# Allegro board HY_TYPEC_DBUG_V10C.brd
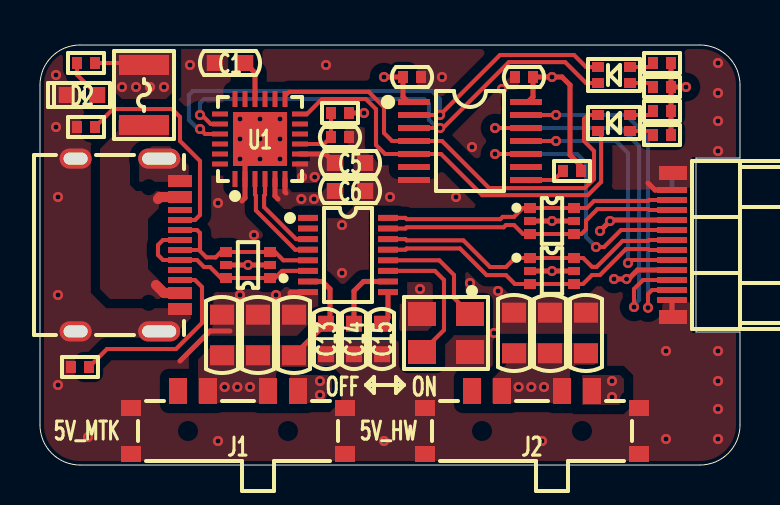
[diagram p0: board, top side]
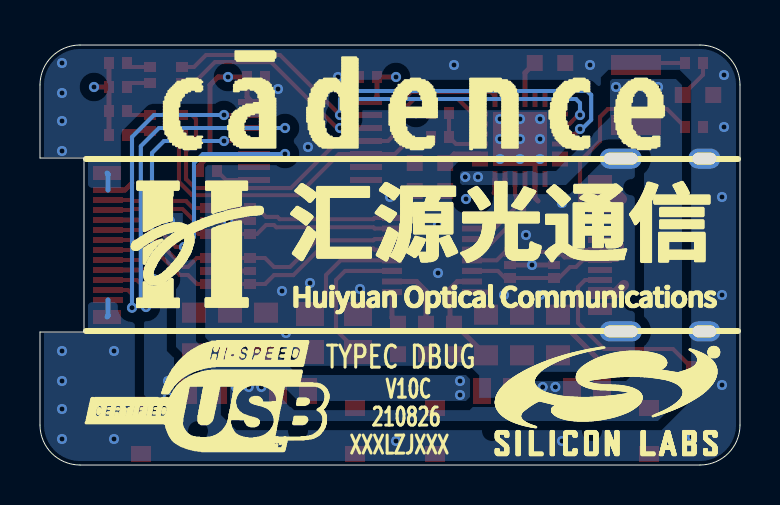
[diagram p1: board, bottom side, seen from below]

Outline 35 x 21 mm; copper layers: TOP, L02_GND, L03_VCC, BOTTOM. Coordinates in mm from the lower left corner of the outline.
Outline path: 0,19 arc(0.59,20.41) 2,21 33,21 arc(34.41,20.41) 35,19 35,15.35 32.8,15.35 32.8,6.65 35,6.65 35,2 arc(34.41,0.59) 33,0 2,0 arc(0.59,0.59) 0,2 0,19

## Design rules (mm)
constraint set DEFAULT: min track width 0.203, pair gap 0.203
net group USBDN1_D: nets USBDN1_DM USBDN1_DP
net group USBDN2_D: nets MTK_USB_DM MTK_USB_DP
net group USBDN3_D: nets HW_USB_DM HW_USB_DP
net group USBUP_D: nets USBUP_DM USBUP_DP

## Placement (name value [footprint] x y rotation side)
C1  10uF_10V  [C0603]  9.5 20.1 180 top
C2  100nF_50V  [C0402]  18.6 19.4 0 top
C3  100nF_50V  [C0402]  24.2 19.4 180 top
C4  100nF_50V  [C0402]  15 16.4 180 top
C5  10uF_10V  [C0603]  15.5 15.1 180 top
C6  10uF_10V  [C0603]  15.5 13.7 180 top
C7  47uF_6.3V  [C0805]  23.7 6.6 270 top
C8  47uF_6.3V  [C0805]  25.5 6.6 270 top
C9  47uF_6.3V  [C0805]  27.3 6.6 270 top
C10  47uF_6.3V  [C0805]  9.1 6.5 270 top
C11  47uF_6.3V  [C0805]  10.9 6.5 270 top
C12  47uF_6.3V  [C0805]  12.7 6.5 270 top
C13  10uF_10V  [C0603]  14.3 6.3 270 top
C14  10uF_10V  [C0603]  15.7 6.3 270 top
C15  10uF_10V  [C0603]  17.1 6.3 270 top
D1  -  [XL-2012SURUGC]  28.7 19.5 0 top
D2  GREEN-0603  [LED0603]  2.1 18.5 180 top
D3  -  [XL-2012SURUGC]  28.7 17.1 0 top
F1  SMD1210-200  [FUSE1210]  5.2 18.5 270 top
J1  -  [K3-1208S-E1]  9.9 1.7 0 top
J2  -  [K3-1208S-E1]  24.6 1.7 0 top
NOREF  -  []  0 0 90 top
NOREF#2  -  []  0 0 0 top
R1  10K  [R0402]  2.3 20.1 0 top
R2  10K  [R0402]  31.1 20.1 0 top
R3  10K  [R0402]  31.1 18.9 0 top
R4  10K  [R0402]  31.1 17.7 0 top
R5  10K  [R0402]  15 17.6 180 top
R6  4.7K  [R0402]  2.3 16.9 0 top
R7  10K  [R0402]  31.1 16.5 0 top
R8  10K  [R0402]  26.6 14.7 180 top
R9  4.7K/NI  [R0402]  2 4.9 180 top
U1  CP2105  [QFN24-4X4X0R5-2R7X2R7]  11 16.3 0 top
U2  TXS0104EPWR  [TSSOP14]  21.5 16.2 270 top
U3  TPD4E1U06DCKR  [SOT363]  25.6 12.2 270 top
U4  -  [U261-24XN-4BS60]  31.6 11 270 top
U5  SL2.1S  [SSOP16-4R7X2R7X0R53]  15.4 10.5 270 top
U6  TPD4E1U06DCKR  [SOT363]  10.4 10 90 top
U7  TPD4E1U06DCKR  [SOT363]  25.6 9.7 270 top
U8  FA-238V  12MHz  [X-4P-3R2X2R5-SMD]  20.3 6.6 180 top
USB1  -  [TYPE-C-31-M-12]  7 11 270 top

## Library data of the parts
C1 = CAP NP
C2-C15 = CAP NP_2
D1 D3 = XL-2012SURUGC
D2 = LED_4
F1 = FUSE
J1 J2 = K3-1208S-E1
R1-R9 = R_Generic
U1 = CP2105_9
U2 = TXB0104PWR
U3 U6 U7 = TPD4E1U06DBVR
U4 = USB-C-24P
U5 = SL2.1S
U8 = TSX-3225
USB1 = TYPE-C_16P

## Footprints (pads in the part's own frame, mm; a bottom-side part is the same pattern mirrored in y, then rotated)
C0402
  rect 0.5x0.6 smd: 1(-0.45,0) 2(0.45,0)
C0603
  rect 0.8x0.8 smd: 1(-0.762,0) 2(0.762,0)
C0805
  rect 1x1.2 smd: 1(-1.016,0) 2(1.016,0)
FUSE1210
  rect 1x2.5 smd: 1(-1.5,0) 2(1.5,0)
K3-1208S-E1
  rect 1x0.8 smd: 1(-5.35,1.15) 2(-5.35,-1.15) 3(5.35,-1.15) 4(5.35,1.15)
  rect 0.9x1.3 smd: 5(3,2) 6(1.5,2) 7(-1.5,2) 8(-3,2)
LED0603
  rect 0.8x0.8 smd: 1(-0.762,0) 2(0.762,0)
QFN24-4X4X0R5-2R7X2R7
  rect 0.25x0.8 smd: 1(-1.25,-2) 2(-0.75,-2) 3(-0.25,-2) 4(0.25,-2) 5(0.75,-2) 6(1.25,-2) 13(1.25,2) 14(0.75,2) 15(0.25,2) 16(-0.25,2) 17(-0.75,2) 18(-1.25,2)
  rect 0.8x0.25 smd: 7(2,-1.25) 8(2,-0.75) 9(2,-0.25) 10(2,0.25) 11(2,0.75) 12(2,1.25) 19(-2,1.25) 20(-2,0.75) 21(-2,0.25) 22(-2,-0.25) 23(-2,-0.75) 24(-2,-1.25)
  rect 2.7x2.7 smd: 25(0,0)
R0402
  rect 0.5x0.6 smd: 1(-0.45,0) 2(0.45,0)
SOT363
  rect 0.5x0.6 smd: 1(-0.65,-1.1) 3(0.65,-1.1) 4(0.65,1.1) 6(-0.65,1.1)
  rect 0.4x0.6 smd: 2(0,-1.1) 5(0,1.1)
SSOP16-4R7X2R7X0R53
  rect 0.3x1 smd: 1(-1.855,-2) 2(-1.325,-2) 3(-0.795,-2) 4(-0.265,-2) 5(0.265,-2) 6(0.795,-2) 7(1.325,-2) 8(1.855,-2) 9(1.855,2) 10(1.325,2) 11(0.795,2) 12(0.265,2) 13(-0.265,2) 14(-0.795,2) 15(-1.325,2) 16(-1.855,2)
TSSOP14
  rect 0.3x1.6 smd: 1(-1.95,-2.8) 2(-1.3,-2.8) 3(-0.65,-2.8) 4(0,-2.8) 5(0.65,-2.8) 6(1.3,-2.8) 7(1.95,-2.8) 8(1.95,2.8) 9(1.3,2.8) 10(0.65,2.8) 11(0,2.8) 12(-0.65,2.8) 13(-1.3,2.8) 14(-1.95,2.8)
TYPE-C-31-M-12
  rect 0.6x1.2 smd: 1(-3.2,0) 2(-2.4,0) 11(2.4,0) 12(3.2,0)
  rect 0.3x1.2 smd: 3(-1.75,0) 4(-1.25,0) 5(-0.75,0) 6(-0.25,0) 7(0.25,0) 8(0.75,0) 9(1.25,0) 10(1.75,0)
  oval 1x2.1 hole 0.6x1.7: 13(-4.32,-1.04) 14(4.32,-1.04)
  oval 1x1.6 hole 0.6x1.2: 15(-4.32,-5.22) 16(4.32,-5.22)
U261-24XN-4BS60
  rect 0.7x1.4 smd: 1(-3.6,0.05) 2(3.6,0.05) 3(3.6,0.05) 4(-3.6,0.05)
  rect 0.3x1.5 smd: A1(-2.75,0) A2(-2.25,0) A3(-1.75,0) A4(-1.25,0) A5(-0.75,0) A6(-0.25,0) A7(0.25,0) A8(0.75,0) A9(1.25,0) A10(1.75,0) A11(2.25,0) A12(2.75,0) B1(2.75,0) B2(2.25,0) B3(1.75,0) B4(1.25,0) B5(0.75,0) B6(0.25,0) B7(-0.25,0) B8(-0.75,0) B9(-1.25,0) B10(-1.75,0) B11(-2.25,0) B12(-2.75,0)
X-4P-3R2X2R5-SMD
  rect 1.4x1.2 smd: 1(-1.2,-0.95) 2(1.2,-0.95) 3(1.2,0.95) 4(-1.2,0.95)
XL-2012SURUGC
  rect 0.6x0.5 smd: 1(-0.8,0.4) 2(0.8,0.4) 3(-0.8,-0.4) 4(0.8,-0.4)

## Nets
GND: C1.2 C2.2 C3.2 C4.1 C5.1 C6.1 C7.1 C8.1 C9.1 C10.1 C11.1 C12.1 C13.2 C14.2 C15.2 D2.2(CATHODE) J1.1 J1.2 J1.3 J1.4 J2.1 J2.2 J2.3 J2.4 R6.1 R9.2 U1.2 U1.25 U2.7 U3.2 U3.5(NC) U4.1 U4.2 U4.3 U4.4 U4.A1 U4.A12 U4.B1 U4.B12 U5.8 U6.2 U6.5(NC) U7.2 U7.5(NC) U8.2 U8.4 USB1.1 USB1.12 USB1.13 USB1.14 USB1.15 USB1.16
VCC_3.3V_CP2105: C2.1 C3.1 C6.2 R2.2 R3.2 R4.2 R5.1 R7.2 R8.1 U1.5(VIO) U1.6 U2.1 U2.14(VCCB)
VCC_5V_HW: J2.5 U4.A9
VCC_5V_MTK: J1.5 U4.A4
VCC_5V_VBUS: C5.2 C7.2 C8.2 C9.2 C10.2 C11.2 C12.2 C13.1 F1.1 J1.6 J1.7 J2.6 J2.7 R1.2 U1.7 U1.8 U5.7
HW_RX: U2.13 U4.A11
HW_TX: U2.12 U4.A10
HW_USB_DM: U4.A7 U5.13 U7.3 U7.4
HW_USB_DP: U4.A6 U5.14 U7.1 U7.6
MTK_RX: U2.11 U4.A8
MTK_TX: U2.10 U4.A5
MTK_USB_DM: U3.3 U3.4 U4.A3 U5.15
MTK_USB_DP: U3.1 U3.6 U4.A2 U5.16
T_HW_RX: D1.1(R-) U1.21 U2.2
T_HW_TX: D1.3 U1.20 U2.3
T_MTK_RX: D3.1(R-) U1.13 U2.4
T_MTK_TX: D3.3 U1.12 U2.5
USBDN1_DM: U1.4 U5.3
USBDN1_DP: U1.3 U5.4
USBDN2_DM: U5.1
USBDN2_DP: U5.2
USBUP_DM: U5.5 U6.3 U6.4 USB1.5 USB1.7
USBUP_DP: U5.6 U6.1 U6.6 USB1.6 USB1.8
XTAL1: U5.12 U8.1
XTAL2: U5.11(XOUT) U8.3(OUT2)
N17371022: D2.1 R1.1
N17392787: C1.1 U1.16
N17392839: C4.2 R5.2 U1.9
N17392961: D3.4 R7.1
N17392986: D3.2 R4.1
N17393011: D1.4 R3.1
N17393034: D1.2 R2.1
N17394522: R6.2 USB1.4
N17394528: F1.2 USB1.2 USB1.11(VBUS2)
N17394640: R9.1 USB1.10
N17401111: R8.2 U2.8
N17412351: C15.1 U5.9
N17412356: C14.1 U5.10

Pads without a net: J1 8; J2 8; U1 1 10 11 14 15 17 18 19 22 23 24; U2 6 9; U4 B2 B3 B4 B5 B6 B7 B8 B9 B10 B11; USB1 3 9

## Via types
v1: diameter 0.508, hole 0.254, TOP to BOTTOM, 86 vias

## Routing (per net, layer and track width the routed paths; a pad name or vN(x,y) marks a point on that pad's centre or on a via; arc(x,y) is an arc through that point)
GND: length 18.3
  TOP w0.254: 30.4,14.1 30.75,13.75 U4.A1 ; U5.8 12.54,8.64 12.5,8.6 ; U6.5 v1(10.4,10) U6.2 ; 7,5.2 8.5,6.7 9.5,6.7 ; U4.2 31.6,7.45 U4.A12 ; U3.2 v1(25.6,12.2) U3.5 ; U7.2 v1(25.6,9.7) U7.5 ; 10.1,13.2 10.25,13.35 U1.2 10.25,15.05 v1(10,15.3) v1(11,16.3)
  BOTTOM w0.254: U4.2 31.6,7.45 U4.A12 ; U4.1 31.6,14.55 U4.A1
  vias: v1(0.8,19.5) v1(0.8,16.9) v1(0.9,13.4) v1(0.9,8.5) v1(0.9,4) v1(2.4,1.4) v1(7.5,20) v1(8.9,13.1) v1(8.9,1.2) v1(10,17.3) v1(10,16.3) v1(10,8.5) v1(10.7,11.5) v1(11,17.3) v1(11,15.3) v1(11.8,8.5) v1(12,17.3) v1(12,16.3) v1(12,15.3) v1(14.3,20) v1(15.1,12) v1(15.1,9.6) v1(17.2,1.2) v1(17.5,13.4) v1(19,8.8) v1(20.1,19.4) v1(20.8,13.4) v1(21.5,9.1) v1(21.6,15.9) v1(22.7,6.6) v1(22.9,8.7) v1(23.1,18.8) v1(25.1,1.2) v1(31.3,5.7) v1(31.3,1.3) v1(33.9,20.1) v1(33.9,18.6) v1(33.9,17.2) v1(33.9,15.7) v1(33.9,5.7) v1(33.9,4.2) v1(33.9,2.8) v1(33.9,1.3)
VCC_3.3V_CP2105: length 17.5
  TOP w0.254: R3.2 v1(32.3,18.9) ; R3.2 R4.2 R7.2 ; R3.2 R2.2 ; R5.1 v1(16.2,17.6) ; U1.6 12.25,13.65 12.3,13.6 ; R8.1 27.05,14.95 26.5,15.5 26.5,19 26.1,19.4 v1(25.6,19.4) C3.1 24.65,18.4 24.4,18.15 U2.14 ; U1.5 11.75,13.45 11.9,13.3 ; v1(17.2,19.4) C2.1 18.15,18.4 18.4,18.15 U2.1
  vias: v1(13.06,13.3) v1(13.7,13.3)
VCC_5V_HW: length 3.1
  TOP w0.254: v1(28.7,9.3) v1(29.33,9.3) 29.43,9.3 29.88,9.75 U4.A9
  vias: v1(28.6,4.2) v1(28.6,3.4)
VCC_5V_MTK: length 3.8
  TOP w0.254: U4.A4 28.55,12.25 v1(28.5,12.2) v1(28,11.7)
  vias: v1(14,4.2) v1(14,3.5)
VCC_5V_VBUS: length 9.7
  TOP w0.203: R1.2 5.1,20.1 F1.1
  TOP w0.254: C12.2 14.28,7.06 C13.1 14.5,7.26 14.5,8.8 14.12,9.18 U5.7 ; U1.8 14.29,15.55 C5.2
  vias: v1(4.1,18.9) v1(4.8,18.9) v1(5.5,18.9) v1(6.2,18.9) v1(9.23,3.9) v1(9.87,3.9) v1(10.5,3.9) v1(13.1,14.4) v1(13.73,14.4) v1(23.93,3.9) v1(24.57,3.9) v1(25.2,3.9)
HW_RX: length 17.1
  TOP w0.203: v1(30.4,7.86) 30.4,8.55 30.6,8.75 U4.A11 ; U2.13 v1(25.8,17.5)
  BOTTOM w0.203: v1(30.4,7.86) 30.4,16.4 29.3,17.5 v1(25.8,17.5)
HW_TX: length 20.3
  TOP w0.203: v1(29.7,7.9) 29.7,8.8 30.15,9.25 U4.A10 ; U2.12 v1(22.75,16.85)
  BOTTOM w0.203: v1(29.7,7.9) 29.7,8 29.96,8.26 29.96,15.94 29.05,16.85 v1(22.75,16.85)
HW_USB_DM: length 15.7
  TOP w0.203: U5.13 18.27,10.77 18.33,10.83 21,10.83 22.33,9.49 23.3,9.49 23.74,9.05 U7.3 U7.4 27.15,9.05 27.6,9.5 28,9.5 29.3,10.8 30.42,10.8 30.46,10.75 U4.A7
HW_USB_DP: length 15.7
  TOP w0.203: U5.14 18.27,11.29 18.33,11.23 21.17,11.23 22.5,9.9 23.3,9.9 23.75,10.35 U7.1 U7.6 27.16,10.35 27.6,9.91 27.83,9.91 29.13,11.2 30.42,11.2 30.46,11.25 U4.A6
MTK_RX: length 13.1
  TOP w0.203: v1(29.4,10.1) 29.55,10.25 U4.A8 ; U2.11 v1(25.8,16.2)
  BOTTOM w0.203: v1(29.4,10.1) 29.4,15.6 28.8,16.2 v1(25.8,16.2)
MTK_TX: length 14.8
  TOP w0.203: U2.10 v1(22.75,15.55) ; U4.A5 29.05,11.75 28.2,10.9 v1(27.8,10.9)
  BOTTOM w0.203: v1(27.8,10.9) 27.3,11.4 27.3,15.1 26.85,15.55 v1(22.75,15.55)
MTK_USB_DM: length 15.3
  TOP w0.203: U4.A3 30.46,12.75 30.42,12.8 27.87,12.8 27.3,12.23 27.3,11.78 27.07,11.55 U3.4 U3.3 24.15,11.55 23.7,12 23.3,12 23.19,11.89 18.33,11.89 18.27,11.82 U5.15
MTK_USB_DP: length 14.6
  TOP w0.203: U5.16 18.27,12.36 18.33,12.29 23.02,12.29 23.13,12.41 23.7,12.41 24.14,12.85 U3.1 U3.6 27.35,12.85 27.7,13.2 30.42,13.2 30.46,13.25 U4.A2
T_HW_RX: length 27.4
  TOP w0.203: v1(8,16.8) 8.25,16.55 U1.21 ; U2.2 v1(20,17.5) 23,20.5 26.7,20.5 27.3,19.9 D1.1
  BOTTOM w0.203: v1(8,16.8) 7.9,16.8 7.44,17.26 7.44,18.5 7.64,18.7 19.6,18.7 20,18.3 v1(20,17.5)
T_HW_TX: length 25.9
  TOP w0.203: U1.20 8.54,17.05 8.09,17.5 v1(8,17.5) ; U2.3 v1(20,16.85) 20.15,16.85 23.44,20.14 26.26,20.14 27.3,19.1 D1.3
  BOTTOM w0.203: v1(8,17.5) 8,18.1 8.2,18.3 19.2,18.3 19.44,18.06 19.44,17.27 19.86,16.85 v1(20,16.85)
T_MTK_RX: length 22.6
  TOP w0.203: U1.13 12.25,18.45 12.46,18.66 16.44,18.66 17.2,17.89 17.2,16.6 17.6,16.2 U2.4 20.1,16.2 22.45,13.85 27.25,13.85 27.7,14.3 27.7,15.7 27.2,16.2 27.2,17.3 27.4,17.5 D3.1
T_MTK_TX: length 21.3
  TOP w0.203: D3.3 28.06,16.54 28.06,14.15 27.39,13.49 22.11,13.49 20.05,15.55 U2.5 17.25,15.55 16.8,16 16.8,17.79 16.29,18.3 14.1,18.3 13.35,17.55 U1.12
USBDN1_DM: length 4.3
  TOP w0.203: U5.3 12.8,11.29 11.2,12.9 11.2,13.47 11.25,13.52 U1.4
USBDN1_DP: length 5
  TOP w0.203: U5.4 12.76,10.77 10.8,12.73 10.8,13.47 10.75,13.52 U1.3
USBUP_DM: length 8.8
  TOP w0.203: U5.5 12.16,10.23 11.75,10.65 U6.3 U6.4 9.05,10.65 8.78,10.38 8.32,10.38 7.95,10.75 ; 7.95,10.75 8,10.8 8,11.6 7.85,11.75 USB1.5 ; 7.95,10.75 USB1.7
USBUP_DP: length 9.8
  TOP w0.203: U5.6 12.11,9.71 11.75,9.35 U6.1 U6.6 9.05,9.35 8.5,9.9 8.2,9.9 7.85,10.25 USB1.8 6.15,10.25 5.9,10.5 5.9,11 6.15,11.25 USB1.6
XTAL1: length 5.9
  TOP w0.203: U5.12 19.96,10.23 20.7,9.5 20.7,8.35 U8.1
XTAL2: length 7
  TOP w0.203: U8.3 20.2,6.75 20.2,9.25 19.75,9.71 U5.11
N17371022: length 2
  TOP w0.203: D2.1 1.85,19.51 R1.1
N17392787: length 2
  TOP w0.254: U1.16 10.75,19.61 C1.1
N17392839: length 2.9
  TOP w0.203: U1.9 14.2,16.05 C4.2 R5.2
N17392961: length 1.2
  TOP w0.203: D3.4 30.45,16.7 R7.1
N17392986: length 1.2
  TOP w0.203: R4.1 30.45,17.5 D3.2
N17393011: length 1.2
  TOP w0.203: R3.1 30.45,19.1 D1.4
N17393034: length 1.2
  TOP w0.203: D1.2 30.45,19.9 R2.1
N17394522: length 11.2
  TOP w0.203: USB1.4 7.75,12.25 8,12.5 8,15.2 7,16.2 7,17.4 6.6,17.8 3.65,17.8 R6.2
N17394528: length 2.5
  TOP w0.508: 5.9,13.3 6,13.4 USB1.2 ; USB1.11 6.2,8.6 5.8,9
N17394640: length 9.6
  TOP w0.203: USB1.10 7.75,9.25 8.1,8.9 8.1,7.1 6.8,5.8 3.35,5.8 R9.1
N17401111: length 2
  TOP w0.203: U2.8 25.7,14.25 R8.2
N17412351: length 1.7
  TOP w0.254: C15.1 17.4,7.36 U5.9
N17412356: length 3.5
  TOP w0.254: U5.10 16.18,9.18 15.7,8.7 C14.1

## Copper pours and planes (outline as drawn; the poured copper is in the pictures)
GND on TOP: 34.8,2 34.27,0.73 33,0.2 2,0.2 0.73,0.73 0.2,2 0.2,19 0.73,20.27 2,20.8 33,20.8 34.27,20.27 34.8,19 34.8,15.4 32.6,15.4 32.6,6.6 34.8,6.6 ; 1 cut-out
GND on BOTTOM: 34.8,2 34.27,0.73 33,0.2 2,0.2 0.73,0.73 0.2,2 0.2,19 0.73,20.27 2,20.8 33,20.8 34.27,20.27 34.8,19 34.8,15.4 32.6,15.4 32.6,6.6 34.8,6.6 ; 1 cut-out
GND on L02_GND: 34.8,2 34.27,0.73 33,0.2 2,0.2 0.73,0.73 0.2,2 0.2,19 0.73,20.27 2,20.8 33,20.8 34.27,20.27 34.8,19 34.8,15.4 32.6,15.4 32.6,6.6 34.8,6.6
VCC_3.3V_CP2105 on TOP: 14.3,14.1 15.2,14.1 15.2,13.1 14.9,12.8 12.2,12.8 11.6,13.4 11.6,14.7 12.4,14.7 12.4,14.1 12.6,13.9 14.1,13.9 ; 1 cut-out
VCC_3.3V_CP2105 on L03_VCC: 34.8,2 34.27,0.73 33,0.2 2,0.2 0.73,0.73 0.2,2 0.2,19 0.73,20.27 2,20.8 33,20.8 34.27,20.27 34.8,19 34.8,15.4 32.6,15.4 32.6,6.6 34.8,6.6
VCC_5V_HW on TOP: 27.1,4.5 29,4.5 29.2,4.3 29.2,3.2 29,3 27.1,3
VCC_5V_HW on BOTTOM: 28.4,3.1 29.4,3.1 29.8,3.5 29.8,9.5 29.6,9.7 28.7,9.7 28.3,9.3 28.3,3.2
VCC_5V_MTK on TOP: 12.5,4.5 14.4,4.5 14.6,4.3 14.6,3.4 14.3,3.1 12.5,3.1
VCC_5V_MTK on BOTTOM: 13.7,4.5 22.1,4.5 23.3,5.7 26.7,5.7 27.2,6.2 27.2,12.1 27.7,12.6 28.9,12.6 29.1,12.4 29.1,10.5 28.2,9.6 28.2,5.9 27,4.7 23.6,4.7 22.1,3.2 13.7,3.2 13.5,3.4 13.5,4.3
VCC_5V_VBUS on TOP: 3.8,20.6 6.6,20.6 6.6,18.6 6.3,18.3 4.1,18.3 3.8,18.6
VCC_5V_VBUS on TOP: 7.9,3.1 7.9,5.5 8.4,6 13.4,6 13.4,4.9 12.1,4.9 11.8,4.6 11.8,3.1
VCC_5V_VBUS on TOP: 22.6,3.1 22.6,4.3 23.3,5 23.3,6.1 27.9,6.1 27.9,5.2 27.7,5 26.8,5 26.5,4.7 26.5,3.1
VCC_5V_VBUS on TOP: 12.6,15.7 15.1,15.7 15.2,15.6 15.2,14.6 14.4,14.6 13.9,14.1 12.8,14.1 12.6,14.3 12.6,15.2 13.5,15.2 13.5,15.4 12.6,15.4
VCC_5V_VBUS on BOTTOM: 3.2,19.3 6.4,19.3 6.5,19.2 6.5,17.4 9.2,14.7 13.9,14.7 14,14.6 14,14.1 13.9,14 8.7,14 6.7,16 5.1,16 4.8,15.7 4.8,5.1 5.7,4.2 10.8,4.2 12.1,2.9 22.5,2.9 23.8,4.2 25.4,4.2 25.5,4.1 25.5,2.7 25,2.2 4.1,2.2 2.9,3.4 2.9,19
N17394528 on TOP: 7.6,8.3 3.5,8.3 3,8.8 3,15.8 3.9,16.7 3.9,17.6 6.5,17.6 6.5,16.4 5.4,16.4 4.5,15.5 4.5,14 4.8,13.7 7.6,13.7 7.6,13.1 6.2,13.1 5.4,12.3 5.4,9.8 6.3,8.9 7.6,8.9

## Text on the board
Ref Des/Silkscreen Bottom: V10C | 210826 | XXXLZJXXX | TYPEC DBUG
Ref Des/Silkscreen Top: 5V_MTK | OFF | 5V_HW | ON
User.7: FIGURE | FINISHED_SIZE | 0.254 | 1.2x0.6 | 1.7x0.6 | DRILL CHART: TOP to BOTTOM | ALL UNITS ARE IN MILLIMETERS | PLATED | QTY | 86 | 2 | 90 | TOTAL HOLES:
